# Allegro board Notecarrier-AE PCB v1.7.brd
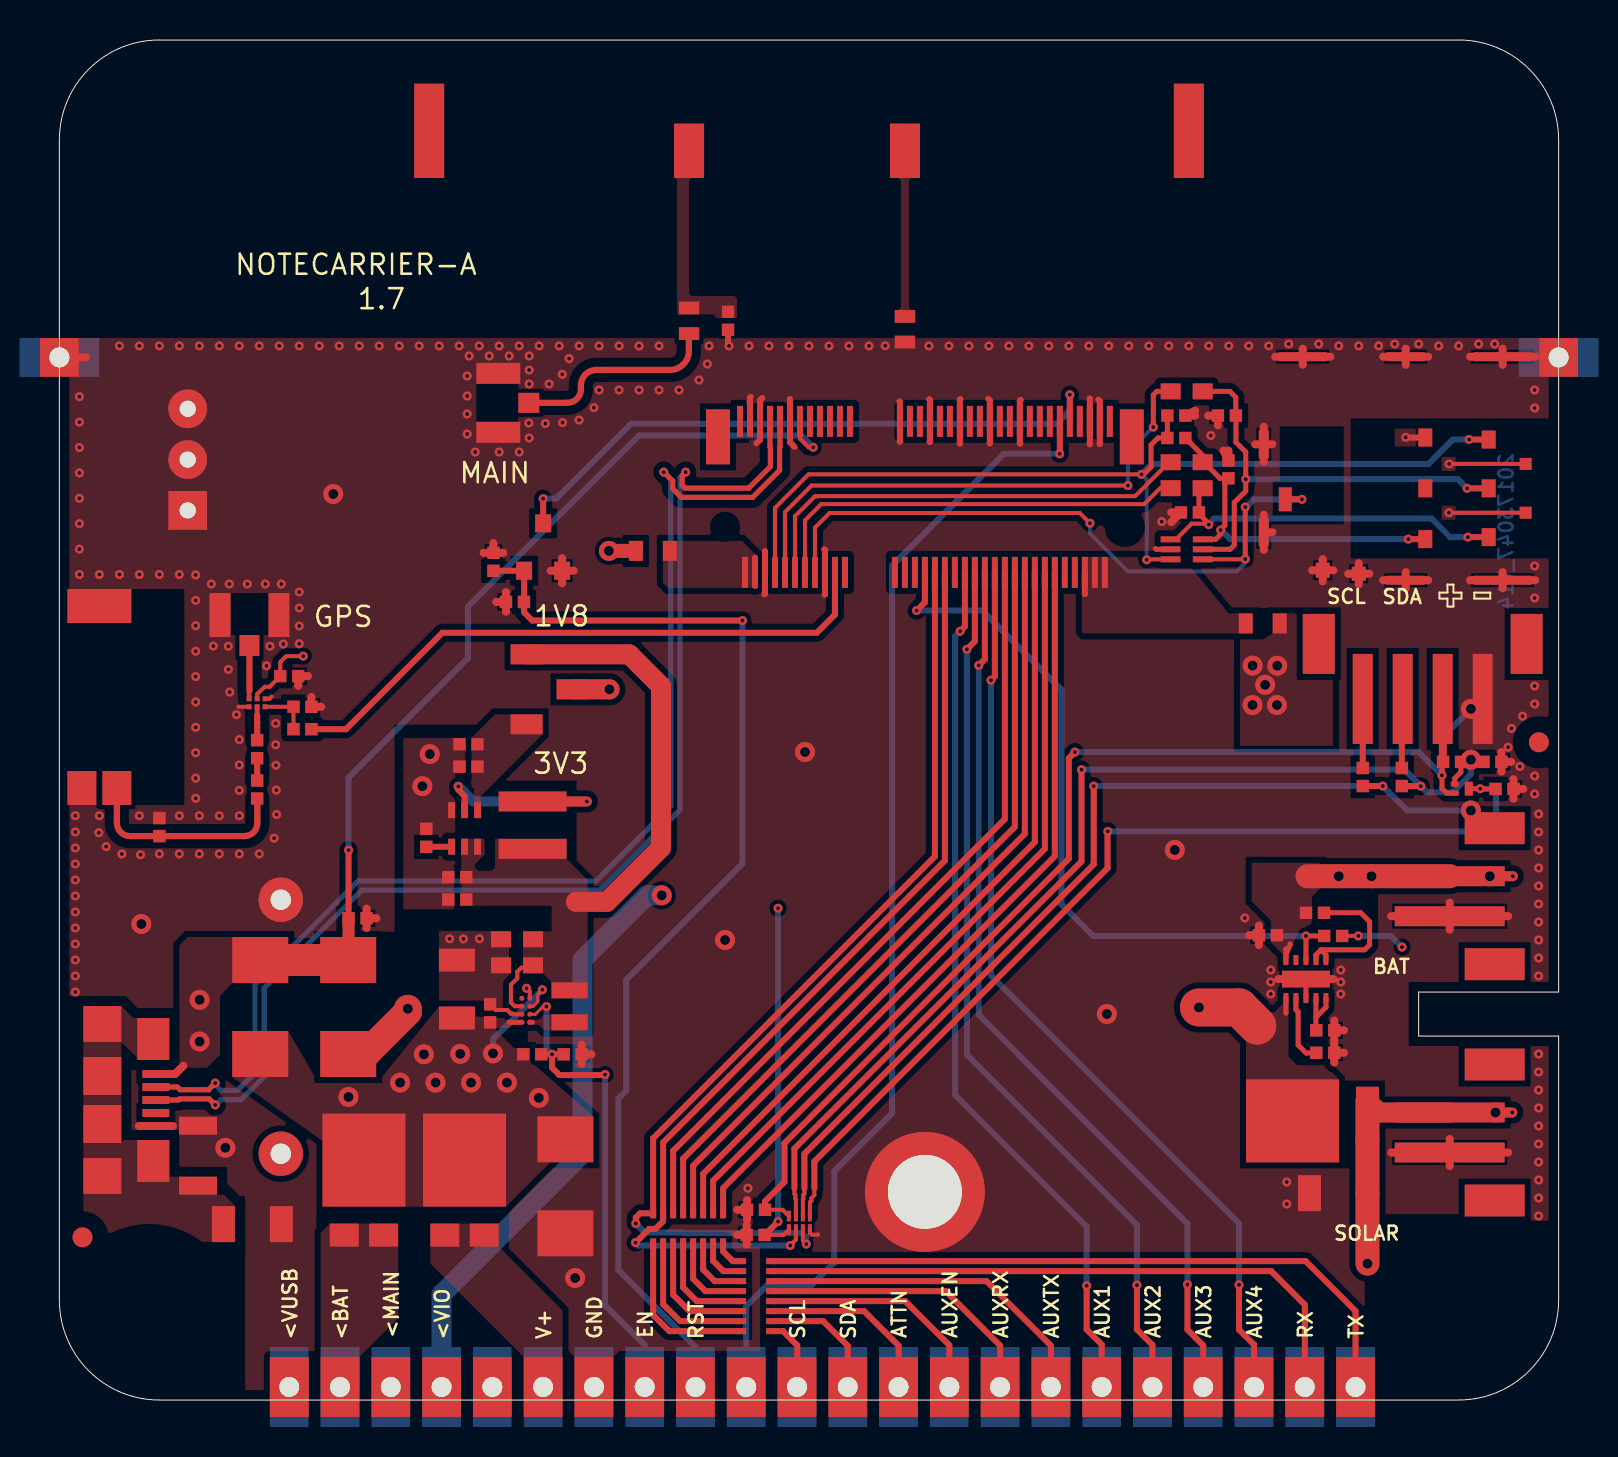
[diagram p0: board, top side]
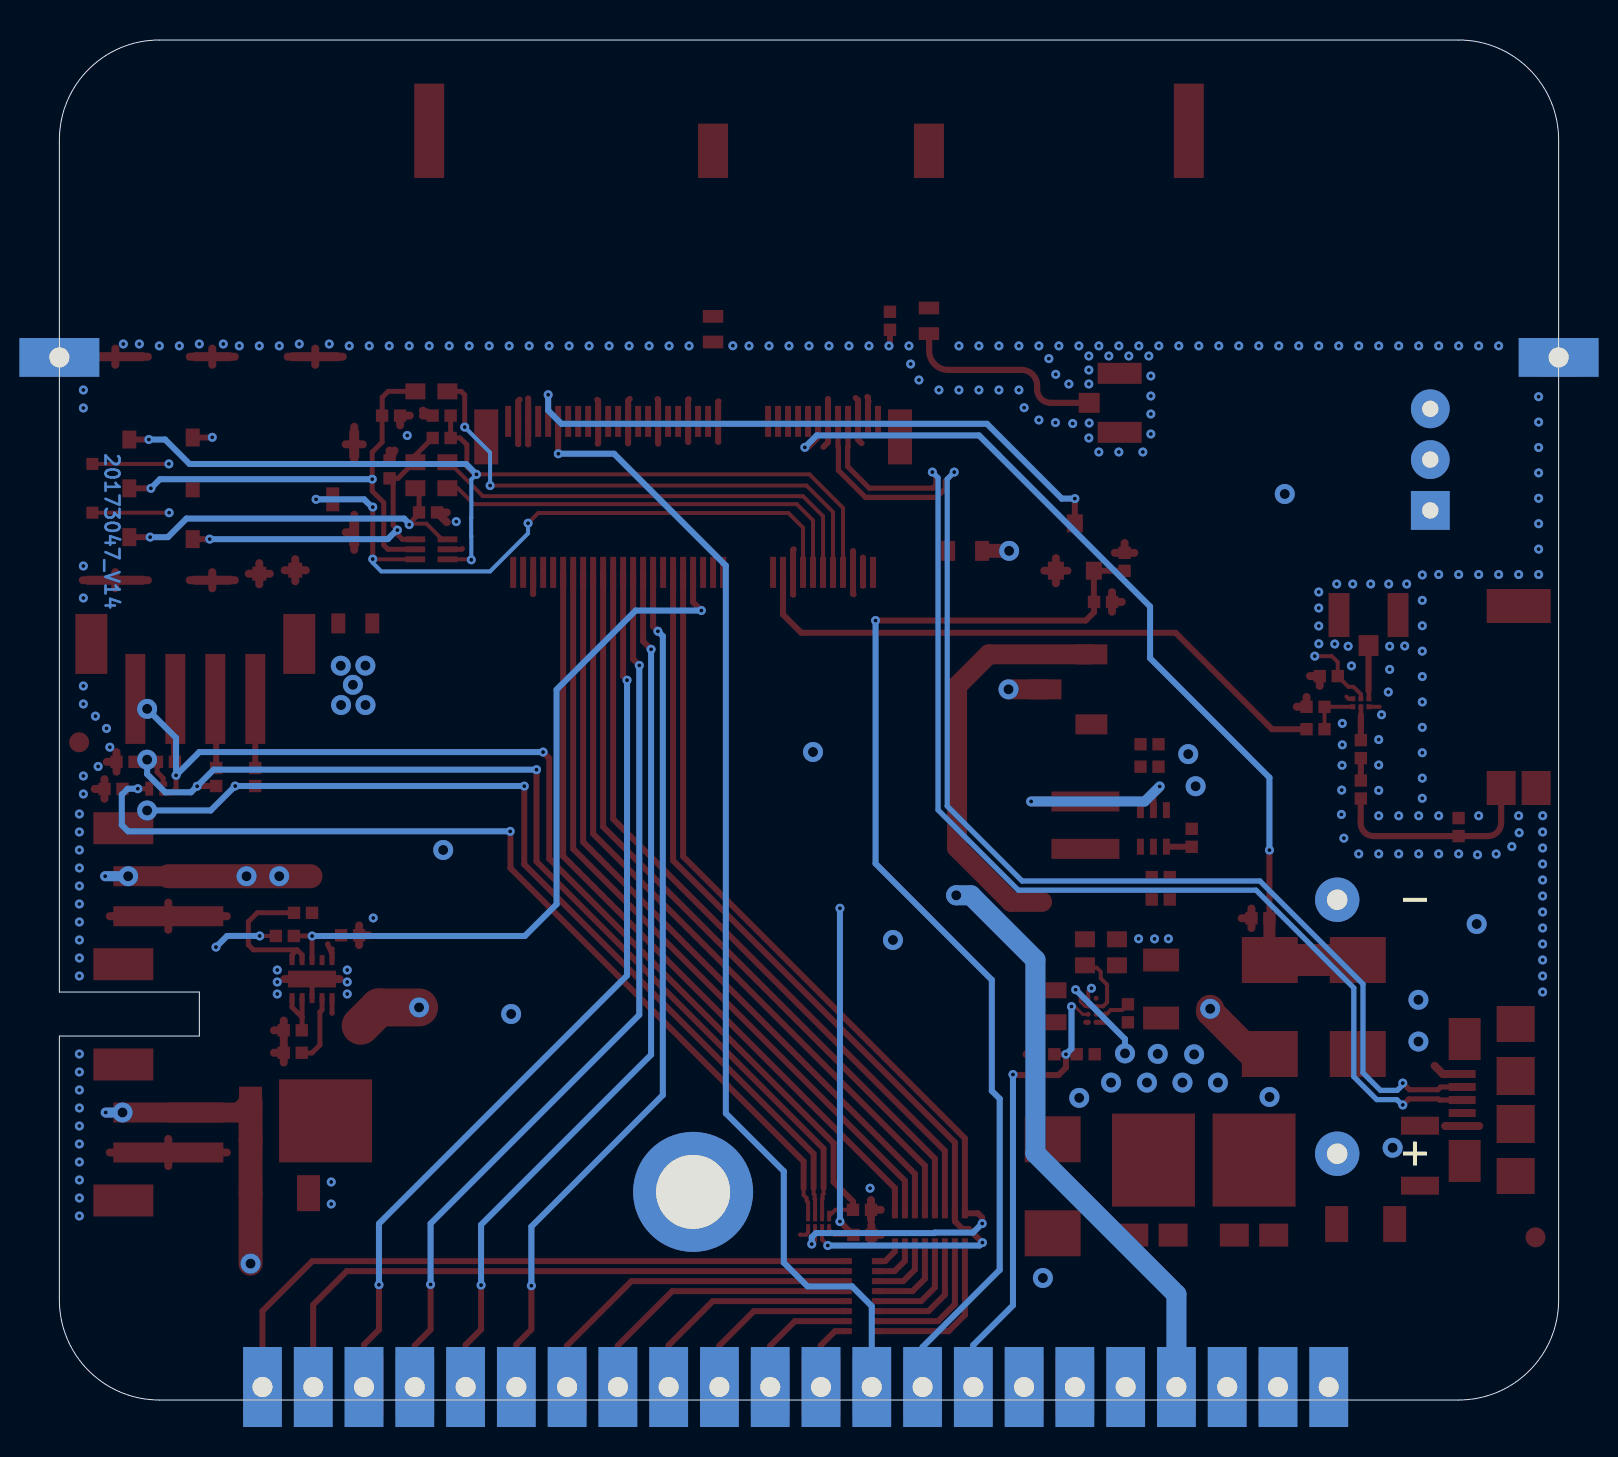
[diagram p1: board, bottom side, seen from below]

Outline 75 x 68 mm; copper layers: TOP, GND, POWER, BOTTOM. Coordinates in mm from the lower left corner of the outline.
Outline path: 0,63 arc(1.46,66.54) 5,68 70,68 arc(73.54,66.54) 75,63 75,20.4 68,20.4 68,18.2 75,18.2 75,5 arc(73.54,1.46) 70,0 5,0 arc(1.46,1.46) 0,5 0,63

## Design rules (mm)
constraint set DEFAULT: pair gap 0.2
net group USB_CON_EXT_90: nets USB_DM USB_DP
nets with their own width: min track width 0.31; nets N16805399 N16805402 N16810299 N16811696 N16811747 N16813049

## Placement (name value [footprint] x y rotation side)
ANT1  W3796  [ANT-W3796]  17.5 67.8 0 top
ANT2  W3010  [ANT-W3010]  2 35.15 270 top
BAT1  2464  [BATHLD-2464-NO_MECH]  37.48 27.24 180 bottom
C1  47u/16V-X5R  [CS-C-1206]  19.89 20.6 90 top
C2  4.7u/6.3V-X5R  [CS-C-0402]  21.55 19.33 90 top
C3  10u/10V-X5R  [CS-C-0603]  22.89 21.73 180 top
C4  10u/10V-X5R  [CS-C-0603]  22.89 23.04 180 top
C5  100n/16V  [CS-C-0402]  25.68 17.29 0 top
C6  100n/16V  [CS-C-0402]  20.46 32.79 180 top
C7  10u/6.3V-X5R  [CS-C-0402]  20.46 31.67 180 top
C8  10u/6.3V-X5R  [CS-C-0402]  19.9 25.02 180 top
C9  100n/16V  [CS-C-0402]  19.9 26.14 180 top
C10  100n/16V  [CS-C-0402]  14.92 24.09 0 top
C11  10n/1kV  [CS-C-1206]  9.7 8.8 0 top
C12  NU  [CS-C-1206]  63.94 10.34 180 top
C13  NU  [CS-C-0402]  60.46 23.24 180 top
C14  NU  [CS-C-0402]  34.83 8.26 180 top
C15  NU  [CS-C-0402]  34.85 9.51 180 top
C16  100n/16V  [CS-C-0402]  55.88 49.22 0 top
C17  33p/50V-C0G  [CS-C-0402]  58.41 49.22 180 top
C18  33p/50V-C0G  [CS-C-0402]  56.56 44.38 180 top
C19  33p/50V-C0G  [CS-C-0402]  58.48 46.53 90 top
C20  0.5p/50V-C0G  [CS-C-0402]  33.45 53.96 270 top
C21  1n/50V  [CS-C-0402]  9.89 30.52 270 top
C22  1u/16V-X5R  [CS-C-0402]  11.5 36.2 0 top
C23  100n/16V  [CS-C-0402]  22.79 39.9 180 top
C24  3.3p/50V-C0G  [CS-C-0402]  5 28.65 90 top
DS2  FSV1045V  [TO277-3]  20.27 11 0 top
DS3  FSV1045V  [TO277-3]  15.24 11 0 top
DS4  STPS3H100U  [SMB]  10.05 17.3 90 top
DS5  NU  [SMB]  14.45 17.3 90 top
DS6  NU  [TO277-3]  62.69 13.96 90 top
F1  SF-0603F150-2  [FS-0603]  29.69 42.46 0 top
F2  3.5A/32V  [FS-0603]  60.2 38.83 180 top
FID1  TPS  [FIDUCIAL]  1.16 8.13 0 top
FID2  TPS  [FIDUCIAL]  74.01 32.89 0 top
J1  NU  [J-4-0200-MDS-GROVE]  68.2 36.05 180 top
J2  10118192-0002LF  [J-5-0065-FOS-USB10118192-NOF]  4.7 15 270 top
J3  NU  [J-2-0200-MDS-B2B-PH-SM4]  69.55 11.37 270 top
J4  NU  [J-2-0200-MDS-B2B-PH-SM4]  69.55 23.19 270 top
J5  NanoSIM - SF72S006VBAR2500  [J-NANOSIM-SF72S006VBA]  61.33 45.03 90 top
J6  MDT420E01001  [J-75-0050-MOS-M2-E]  43.3 43.66 0 top
J7  uFL-R-SMT-1-10  [J-3-MDS-UFL]  21.96 49.86 90 top
J8  uFL-R-SMT-1-10  [J-3-MDS-UFL]  9.51 39.25 0 top
J9  CES-122-01-T-S  [J-22-0254-FDT-H0508_EDGE]  38.17 1.3 0 top
J10  CES-103-01-T-S  [J-3-0254-FDT-H0508]  6.42 47.02 90 top
L1  XFL4020-222MEC  [LS-XFL4020]  23.67 28.74 270 top
L2  1285AS-H-2R2M=P2  [LS-0806]  25.52 19.68 90 top
L3  0603CS-4N3XJLW  [LS-0603CS]  31.5 53.96 180 top
L4  0603CS-6N8XJLU  [LS-0603CS]  42.3 53.54 0 top
L5  LQW15AN7N5H00D  [LS-0402]  9.89 32.54 270 top
NOREF  -  []  6.49 9.76 90 top
NOREF#2  -  []  29.19 42.96 0 top
NOREF#3  -  []  13.3 18.7 0 top
NOREF#4  -  []  24.02 35.88 90 top
NOREF#5  -  []  57.5 32.71 0 top
NOREF#6  -  []  57.05 32.71 90 top
NOREF#7  -  []  18.56 7.67 0 top
NOREF#8  -  []  62.78 19.85 90 top
NOREF#9  -  []  42.3 62.46 0 top
NOREF#10  -  []  23.19 22.64 90 top
NOREF#11  -  []  16.22 8.25 90 top
NOREF#12  -  []  8.9 15.9 90 top
NOREF#13  -  []  29.7 7.83 0 top
NOREF#14  -  []  4.5 4.5 0 top
NOREF#15  -  []  30.89 41.96 90 top
NOREF#16  -  []  36.15 40.61 0 top
NOREF#17  -  []  -94.91 -111.07 0 top
NOREF#18  -  []  7.4 33.55 90 top
NOREF#19  -  []  11.4 34.97 0 top
NOREF#20  -  []  63.19 18.17 90 top
NOREF#21  -  []  58.27 48.91 90 top
NOREF#22  -  []  60.01 23.24 0 top
NOREF#23  -  []  11.68 7.9 90 top
NOREF#24  -  []  15.68 23.78 90 top
NOREF#25  -  []  68.68 32.71 90 top
NOREF#26  -  []  61.4 38.33 90 top
NOREF#27  -  []  57.25 41.71 0 top
NOREF#28  -  []  9.49 34.66 0 top
NOREF#29  -  []  21.59 22.14 0 top
NOREF#30  -  []  34.4 9.51 0 top
NOREF#31  -  []  33.45 53.51 90 top
NOREF#32  -  []  9.58 32.4 0 top
NOREF#33  -  []  34.09 9.82 0 top
NOREF#34  -  []  69.05 21.44 0 top
NOREF#35  -  []  57.05 32.71 0 top
NOREF#36  -  []  73.35 44.36 90 top
NOREF#37  -  []  2.15 11.2 90 top
NOREF#38  -  []  11.64 36.51 0 top
NOREF#39  -  []  23.17 25.86 0 top
NOREF#40  -  []  14.25 8.25 0 top
NOREF#41  -  []  49.1 1.3 0 top
NOREF#42  -  []  57.69 50.03 90 top
NOREF#43  -  []  63.36 20.1 90 top
NOREF#44  -  []  19.14 26.45 0 top
NOREF#45  -  []  8.2 8.8 0 top
NOREF#46  -  []  26.72 18.79 90 top
NOREF#47  -  []  11.5 0.65 0 top
NOREF#48  -  []  69.55 14.37 0 top
NOREF#49  -  []  21.4 41.77 0 top
NOREF#50  -  []  -3.4 36.75 0 top
NOREF#51  -  []  72.15 30.24 90 top
NOREF#52  -  []  34.07 8.57 0 top
NOREF#53  -  []  59.61 16.28 0 top
NOREF#54  -  []  21.96 48.38 90 top
NOREF#55  -  []  64.71 12.4 90 top
NOREF#56  -  []  55.44 42.54 0 top
NOREF#57  -  []  63.39 32.71 90 top
NOREF#58  -  []  23.25 41.46 0 top
NOREF#59  -  []  8.9 18.7 0 top
NOREF#60  -  []  62.57 18.79 0 top
NOREF#61  -  []  56.11 44.38 0 top
NOREF#62  -  []  33.35 8.08 90 top
NOREF#63  -  []  20.92 27.66 90 top
NOREF#64  -  []  7.63 7.9 0 top
NOREF#65  -  []  57.96 49.22 0 top
NOREF#66  -  []  29.7 7.83 90 top
NOREF#67  -  []  23.67 27.56 90 top
NOREF#68  -  []  63 37.8 0 top
NOREF#69  -  []  18.67 27.35 90 top
NOREF#70  -  []  19.89 19.1 90 top
NOREF#71  -  []  61.94 22.25 0 top
NOREF#72  -  []  22.09 23.04 0 top
NOREF#73  -  []  68.68 32.71 90 top
NOREF#74  -  []  60.73 44.71 90 top
NOREF#75  -  []  55.74 47.79 90 top
NOREF#76  -  []  12.02 34.35 90 top
NOREF#77  -  []  10.46 40.35 0 top
NOREF#78  -  []  34.15 40.61 90 top
NOREF#79  -  []  11.71 33.54 0 top
NOREF#80  -  []  9.58 30.38 0 top
NOREF#81  -  []  69.22 31.91 0 top
NOREF#82  -  []  28.49 41.96 0 top
NOREF#83  -  []  36.23 9.3 0 top
NOREF#84  -  []  42.81 53.22 90 top
NOREF#85  -  []  35.45 6.69 0 top
NOREF#86  -  []  74.03 50.13 90 top
NOREF#87  -  []  21.01 50.96 0 top
NOREF#88  -  []  34.69 7.95 90 top
NOREF#89  -  []  31.5 62.46 0 top
NOREF#90  -  []  68.91 32.22 0 top
NOREF#91  -  []  33.3 43.66 90 top
NOREF#92  -  []  20.27 11 90 top
NOREF#93  -  []  -3.6 33.35 0 top
NOREF#94  -  []  7.4 33.55 90 top
NOREF#95  -  []  69.05 9.62 0 top
NOREF#96  -  []  9.01 37.2 0 top
NOREF#97  -  []  0.6 14.2 90 top
NOREF#98  -  []  19.7 31.98 0 top
NOREF#99  -  []  20.02 27.49 90 top
NOREF#100  -  []  68.83 4.5 0 top
NOREF#101  -  []  23.87 34.58 90 top
NOREF#102  -  []  57.05 32.71 90 top
NOREF#103  -  []  9.89 30.07 90 top
NOREF#104  -  []  69.61 30.67 90 top
NOREF#105  -  []  62.36 24.36 0 top
NOREF#106  -  []  5.8 15.8 0 top
NOREF#107  -  []  71.5 45.58 90 top
NOREF#108  -  []  36.85 8.53 0 top
NOREF#109  -  []  21.46 47.81 90 top
NOREF#110  -  []  58.98 34.51 0 top
NOREF#111  -  []  43.3 41.38 0 top
NOREF#112  -  []  10.05 17.3 90 top
NOREF#113  -  []  -0.97 50.13 90 top
NOREF#114  -  []  21.86 19.47 90 top
NOREF#115  -  []  5.31 28.79 90 top
NOREF#116  -  []  69.81 30.34 90 top
NOREF#117  -  []  7.4 36.75 90 top
NOREF#118  -  []  12.92 33.23 90 top
NOREF#119  -  []  0 11.5 0 top
NOREF#120  -  []  33.3 43.11 90 top
NOREF#121  -  []  24.17 25.86 90 top
NOREF#122  -  []  71 15.27 0 top
NOREF#123  -  []  62.2 52.16 0 top
NOREF#124  -  []  34.3 41.38 0 top
NOREF#125  -  []  23.54 19.96 90 top
NOREF#126  -  []  -3.4 36.75 0 top
NOREF#127  -  []  62.54 10.34 0 top
NOREF#128  -  []  21.43 47.28 0 top
NOREF#129  -  []  55.43 48.1 0 top
NOREF#130  -  []  14.45 17.3 90 top
NOREF#131  -  []  61.11 19.97 90 top
NOREF#132  -  []  18.19 14.32 0 top
NOREF#133  -  []  65.51 31.29 90 top
NOREF#134  -  []  65.44 12.97 90 top
NOREF#135  -  []  58.17 47.29 0 top
NOREF#136  -  [unnamed#2]  70.5 63.5 0 top
NOREF#137  -  []  63.38 46.36 0 top
NOREF#138  -  []  60.25 47.78 0 top
NOREF#139  -  []  70.93 32.22 0 top
NOREF#140  -  []  2.55 11.5 0 top
NOREF#141  -  []  19.45 25.02 0 top
NOREF#142  -  []  55.59 46.89 0 top
NOREF#143  -  []  68.33 43.04 0 top
NOREF#144  -  []  59.7 23.55 0 top
NOREF#145  -  []  33.76 53.2 90 top
NOREF#146  -  []  63.11 19.97 0 top
NOREF#147  -  []  34.3 41.38 0 top
NOREF#148  -  []  23.21 17.29 0 top
NOREF#149  -  []  33.95 3.19 90 top
NOREF#150  -  []  62.88 17.36 0 top
NOREF#151  -  []  55.75 61.1 0 top
NOREF#152  -  []  66.85 31.91 0 top
NOREF#153  -  []  23.96 48.76 90 top
NOREF#154  -  []  70.05 21.44 90 top
NOREF#155  -  []  63.86 23.51 0 top
NOREF#156  -  []  26.44 16.98 90 top
NOREF#157  -  []  34.71 9.2 90 top
NOREF#158  -  []  56.69 47.29 0 top
NOREF#159  -  []  10.42 34.94 90 top
NOREF#160  -  []  30.75 61.1 90 top
NOREF#161  -  []  19.76 24.71 90 top
NOREF#162  -  []  18.05 27.97 0 top
NOREF#163  -  []  9.01 38.25 90 top
NOREF#164  -  []  68.85 63.49 0 top
NOREF#165  -  []  33.35 8.08 90 top
NOREF#166  -  []  19.14 25.33 0 top
NOREF#167  -  []  8.56 40.35 0 top
NOREF#168  -  []  19.31 18.2 0 top
NOREF#169  -  []  69.55 12.37 90 top
NOREF#170  -  []  57.2 42.53 90 top
NOREF#171  -  []  19.28 8.25 0 top
NOREF#172  -  []  20.27 29.49 0 top
NOREF#173  -  []  22.09 21.73 0 top
NOREF#174  -  []  63.35 27.94 90 top
NOREF#175  -  []  -0.5 52.13 0 top
NOREF#176  -  []  20.01 32.79 0 top
NOREF#177  -  []  70.05 9.62 90 top
NOREF#178  -  []  56.64 48.91 90 top
NOREF#179  -  []  54.25 46.78 90 top
NOREF#180  -  []  61.36 22 0 top
NOREF#181  -  []  65.2 35.05 0 top
NOREF#182  -  []  71.5 43.14 90 top
NOREF#183  -  []  22.02 41.15 90 top
NOREF#184  -  []  -3.4 33.55 90 top
NOREF#185  -  []  29.55 9.08 90 top
NOREF#186  -  []  24.32 18.79 0 top
NOREF#187  -  []  0 11.5 90 top
NOREF#188  -  []  55.8 44.69 0 top
NOREF#189  -  []  58.98 46.36 0 top
NOREF#190  -  []  59 38.33 0 top
NOREF#191  -  []  29.7 7.83 0 top
NOREF#192  -  []  57.65 49.53 0 top
NOREF#193  -  []  50.9 49.71 0 top
NOREF#194  -  []  13.16 9.67 90 top
NOREF#195  -  []  56.42 44.07 90 top
NOREF#196  -  []  63.35 27.94 90 top
NOREF#197  -  []  11.71 34.66 0 top
NOREF#198  -  []  41.79 52.58 0 top
NOREF#199  -  []  19.7 33.1 0 top
NOREF#200  -  []  2.83 63.5 0 top
NOREF#201  -  []  24.02 37.48 0 top
NOREF#202  -  []  7.4 33.55 90 top
NOREF#203  -  []  57.05 38.06 90 top
NOREF#204  -  []  63.35 16.12 90 top
NOREF#205  -  []  71 27.09 90 top
NOREF#206  -  []  49.3 46.7 0 top
NOREF#207  -  []  63.35 16.12 90 top
NOREF#208  -  []  57.05 42.54 90 top
NOREF#209  -  []  57.41 43.51 0 top
NOREF#210  -  []  6.7 15.8 0 top
NOREF#211  -  []  23.37 33.78 90 top
NOREF#212  -  []  0 58.58 0 top
NOREF#213  -  []  68.68 32.71 90 top
NOREF#214  -  []  20.32 31.36 90 top
NOREF#215  -  []  37.28 9.1 0 top
NOREF#216  -  [unnamed#2]  4.5 63.5 0 top
NOREF#217  -  []  69.81 30.79 0 top
NOREF#218  -  []  69.55 24.19 90 top
NOREF#219  -  []  15.24 11 90 top
NOREF#220  -  []  56.69 45.99 0 top
NOREF#221  -  []  68.23 32.71 0 top
NOREF#222  -  []  4.69 29.41 0 top
NOREF#223  -  []  38.8 41.38 0 top
NOREF#224  -  []  71 27.09 0 top
NOREF#225  -  []  57.35 41.54 90 top
NOREF#226  -  []  18.19 9.67 90 top
NOREF#227  -  []  4.5 4.5 90 top
NOREF#228  -  []  20.32 32.48 90 top
NOREF#229  -  []  22.9 17.6 0 top
NOREF#230  -  []  57.05 32.71 90 top
NOREF#231  -  []  40.3 10.41 0 top
NOREF#232  -  []  62.05 24.67 0 top
NOREF#233  -  []  8.56 47.02 0 top
NOREF#234  -  []  13.3 15.9 90 top
NOREF#235  -  []  59.7 39.33 0 top
NOREF#236  -  []  62.8 32.71 0 top
NOREF#237  -  []  61.33 45.03 0 top
NOREF#238  -  []  41.55 63.82 0 top
NOREF#239  -  []  64.7 42.12 0 top
NOREF#240  -  []  33.3 43.66 90 top
NOREF#241  -  []  61.36 20.1 90 top
NOREF#242  -  []  63.11 9.44 90 top
NOREF#243  -  []  67.16 30.7 90 top
NOREF#244  -  []  10.2 29.76 90 top
NOREF#245  -  []  68.33 48.12 0 top
NOREF#246  -  []  33.14 53.82 0 top
NOREF#247  -  []  64.89 31.91 0 top
NOREF#248  -  []  57.05 32.71 90 top
NOREF#249  -  []  4.83 15.65 90 top
NOREF#250  -  []  57.69 46.49 90 top
NOREF#251  -  []  22.91 50.96 0 top
NOREF#252  -  []  72.65 36.3 0 top
NOREF#253  -  []  60.73 45.36 0 top
NOREF#254  -  []  71.55 31.6 90 top
NOREF#255  -  []  64.86 37.68 90 top
NOREF#256  -  []  25.92 20.59 0 top
NOREF#257  -  []  19.76 25.83 90 top
NOREF#258  -  []  25.23 17.29 0 top
NOREF#259  -  []  20.46 21.1 90 top
NOREF#260  -  []  71.84 30.55 0 top
NOREF#261  -  []  12.26 35.88 90 top
NOREF#262  -  []  -0.97 50.13 0 top
NOREF#263  -  []  13.53 7.67 0 top
NOREF#264  -  []  68.68 32.71 90 top
NOREF#265  -  []  61.69 12.96 90 top
NOREF#266  -  []  17.3 53.1 90 top
NOREF#267  -  []  23.13 19.69 90 top
NOREF#268  -  []  21.71 41.46 90 top
NOREF#269  -  []  74.5 52.13 0 top
NOREF#270  -  []  55.59 50.43 0 top
NOREF#271  -  []  13.53 7.67 90 top
NOREF#272  -  []  25.31 8.34 90 top
NOREF#273  -  []  63.27 23.2 0 top
NOREF#274  -  []  42.81 52.58 90 top
NOREF#275  -  []  69.53 31.6 90 top
NOREF#276  -  []  6.49 14.66 0 top
NOREF#277  -  []  71.53 30.86 0 top
NOREF#278  -  []  55.12 48.41 0 top
NOREF#279  -  []  12.3 33.85 0 top
NOREF#280  -  []  33.9 48.16 90 top
NOREF#281  -  []  65.2 30.7 90 top
NOREF#282  -  []  67.47 31.29 90 top
NOREF#283  -  []  37.48 26.73 90 top
NOREF#284  -  []  63.19 17.05 90 top
NOREF#285  -  []  21.55 18.88 90 top
NOREF#286  -  []  71 15.27 90 top
NOREF#287  -  []  11.08 12.31 90 top
NOREF#288  -  []  18.56 7.67 90 top
NOREF#289  -  []  68.68 38.06 90 top
NOREF#290  -  []  6.42 44.48 90 top
NOREF#291  -  []  9.4 11 90 top
NOREF#292  -  []  35.6 3.44 90 top
NOREF#293  -  []  35.6 3.44 90 top
NOREF#294  -  []  70.71 30.22 90 top
NOREF#295  -  []  -3.6 33.35 90 top
NOREF#296  -  []  41.45 10.41 0 top
NOREF#297  -  []  6.94 10.71 90 top
NOREF#298  -  []  32.01 53.64 90 top
NOREF#299  -  []  70.7 32.8 90 top
NOREF#300  -  []  36.76 9.1 90 top
NOREF#301  -  []  68.83 63.5 0 top
NOREF#302  -  []  62.67 24.05 90 top
NOREF#303  -  []  23.52 16.98 90 top
NOREF#304  -  []  55.43 49.22 0 top
NOREF#305  -  []  17.75 61.1 90 top
NOREF#306  -  []  21.46 47.81 0 top
NOREF#307  -  []  33.05 7.58 0 top
NOREF#308  -  []  34.38 8.26 0 top
NOREF#309  -  []  22.34 39.9 0 top
NOREF#310  -  []  0 11.5 0 top
NOREF#311  -  []  -3.6 33.15 90 top
NOREF#312  -  []  2.83 4.5 0 top
NOREF#313  -  []  22.65 39.59 90 top
NOREF#314  -  []  62.88 18.48 0 top
NOREF#315  -  []  19.45 26.14 0 top
NOREF#316  -  []  -3.4 36.75 90 top
NOREF#317  -  []  60.32 22.93 90 top
NOREF#318  -  []  61.69 12.96 90 top
NOREF#319  -  []  57.41 42.81 90 top
NOREF#320  -  []  53.05 49.53 0 top
NOREF#321  -  []  23.75 43.43 90 top
NOREF#322  -  []  63.75 36.3 90 top
NOREF#323  -  []  11.05 36.2 0 top
NOREF#324  -  []  10.2 31.78 90 top
NOREF#325  -  []  7.51 38.15 0 top
NOREF#326  -  []  58.79 46.67 90 top
NOREF#327  -  []  34.05 48.93 0 top
NOREF#328  -  []  57.69 45.19 90 top
NOREF#329  -  []  24.16 11.64 90 top
NOREF#330  -  []  68.68 32.71 90 top
NOREF#331  -  []  62.86 20.1 0 top
NOREF#332  -  []  59.61 11.63 90 top
NOREF#333  -  []  74.03 50.13 0 top
NOREF#334  -  []  58.48 46.08 90 top
NOREF#335  -  []  48.55 48.93 0 top
NOREF#336  -  []  64.71 12.4 0 top
NOREF#337  -  []  62.57 17.67 0 top
NOREF#338  -  []  19.22 29.32 0 top
NOREF#339  -  []  3.2 14.45 90 top
NOREF#340  -  []  34.25 6.69 90 top
NOREF#341  -  []  23.19 21.34 90 top
NOREF#342  -  []  34.25 6.69 90 top
NOREF#343  -  []  68.68 42.96 90 top
NOREF#344  -  []  60.25 43.38 0 top
NOREF#345  -  []  32.95 48.16 0 top
NOREF#346  -  [unnamed#2]  70.5 4.5 0 top
NOREF#347  -  []  30.99 53 0 top
NOREF#348  -  []  57.05 32.71 90 top
NOREF#349  -  []  22.03 40.21 0 top
NOREF#350  -  []  69.61 30.22 0 top
NOREF#351  -  []  34.1 3.44 0 top
NOREF#352  -  []  14.47 24.09 0 top
NOREF#353  -  []  4.45 11.5 0 top
NOREF#354  -  []  9.49 34.66 90 top
NOREF#355  -  []  56.69 50.83 0 top
NOREF#356  -  []  68.68 32.71 90 top
NOREF#357  -  []  21.59 23.43 0 top
NOREF#358  -  []  58.16 43.51 0 top
NOREF#359  -  []  33.3 43.66 0 top
NOREF#360  -  []  18.36 27.66 90 top
NOREF#361  -  []  34.3 41.38 90 top
NOREF#362  -  []  70 0 90 top
NOREF#363  -  []  10.17 35.19 0 top
NOREF#364  -  []  18.5 63.46 0 top
NOREF#365  -  [unnamed#2]  4.5 4.5 0 top
NOREF#366  -  []  20.01 31.67 0 top
NOREF#367  -  []  13.16 14.32 0 top
NOREF#368  -  []  69.55 26.19 0 top
NOREF#369  -  []  11.51 38.15 90 top
NOREF#370  -  []  21.24 20.09 0 top
NOREF#371  -  []  23.13 18.89 0 top
NOREF#372  -  []  61.9 39.6 90 top
NOREF#373  -  []  21.25 8.25 90 top
NOREF#374  -  []  15.06 24.4 0 top
NOREF#375  -  []  64.86 9.44 0 top
NOREF#376  -  []  32.01 53 90 top
NOREF#377  -  []  23.25 41.46 0 top
NOREF#378  -  []  9.89 32.09 90 top
NOREF#379  -  []  5.7 36.75 0 top
NOREF#380  -  []  -3.6 33.15 90 top
NOREF#381  -  []  25.82 17.6 0 top
NOREF#382  -  []  70.31 30.22 0 top
NOREF#383  -  []  53.3 42.86 90 top
NOREF#384  -  []  55.59 45.59 0 top
NOREF#385  -  []  24.7 41.86 0 top
NOREF#386  -  []  9.01 37.2 90 top
NOREF#387  -  []  24.16 14.44 0 top
NOREF#388  -  []  56.02 49.53 0 top
NOREF#389  -  []  34.05 48.93 0 top
NOREF#390  -  []  5 28.2 90 top
NOREF#391  -  []  64.48 22.89 90 top
NOREF#392  -  []  71.24 31.91 0 top
NOREF#393  -  []  64.78 45.86 90 top
OBJ1  9774025151R  [DIST-WASMSIM0250]  43.3 10.41 270 top
PAD1  TPS  [PAD-THT-CAS-0100]  75 52.13 90 top
PAD2  TPS  [PAD-THT-CAS-0100]  0 52.13 90 top
Q1  AO3420  [SOT23]  23.25 41.46 270 top
Q2  NU  [UFDFN3]  70.16 30.57 0 top
R1  10M/5%  [RS-0402]  23.66 17.29 180 top
R4  82k  [RS-0402]  18.36 28.11 270 top
R5  1M  [RS-1206]  6.94 12.21 90 top
R6  NU  [RS-0402]  63.72 23.2 0 top
R8  NU  [RS-0402]  62.81 24.36 180 top
R9  NU  [RS-0402]  63.33 17.36 180 top
R10  NU  [RS-0402]  63.33 18.48 180 top
R11  NU  [RS-0402]  67.16 31.15 90 top
R12  22R  [RS-0603]  56.39 46.89 0 top
R13  NU  [RS-0402]  65.2 31.15 90 top
R14  22R  [RS-0603]  56.39 45.59 0 top
R15  22R  [RS-0603]  56.39 50.43 0 top
R16  15k  [RS-0402]  55.88 48.1 180 top
R17  NU  [RS-0402]  72.29 30.55 180 top
R18  200k  [RS-0402]  12.16 33.54 0 top
R21  1k  [RS-0402]  21.71 41.91 270 top
R22  100k  [RS-0402]  12.16 34.66 180 top
R23  NU  [RS-0402]  71.69 31.91 180 top
R24  NU  [RS-0402]  69.67 31.91 180 top
RR1  100R/5%  [RR-8X-1506]  34.85 5.19 90 top
RR2  100R/5%  [RR-8X-1506]  31.45 8.58 0 top
SW1  CJS-1200TA  [SW-CJS1200TA]  24.52 35.53 270 top
TVS1  SM6T6V8A  [SMB]  25.31 13.04 270 top
TVS2  ESDLC5V0M5-TP  [SOT666]  56.39 42.53 270 top
U1  TPS62748YFPT  [XFBGA8]  23.33 19.49 0 top
U2  MAX17225ELT  [WDFN6-0200X0200]  20.27 28.58 270 top
U3  NU  [WSON10-EXP]  62.36 21.05 90 top
U4  NU  [XFDFN8]  36.5 8.53 90 top
U5  BGA725L6E6327FTSA1  [XFDFN6]  9.89 34.86 0 top
